# KiCad board DC-34-Countdown-To-Singularity-Board.kicad_pcb
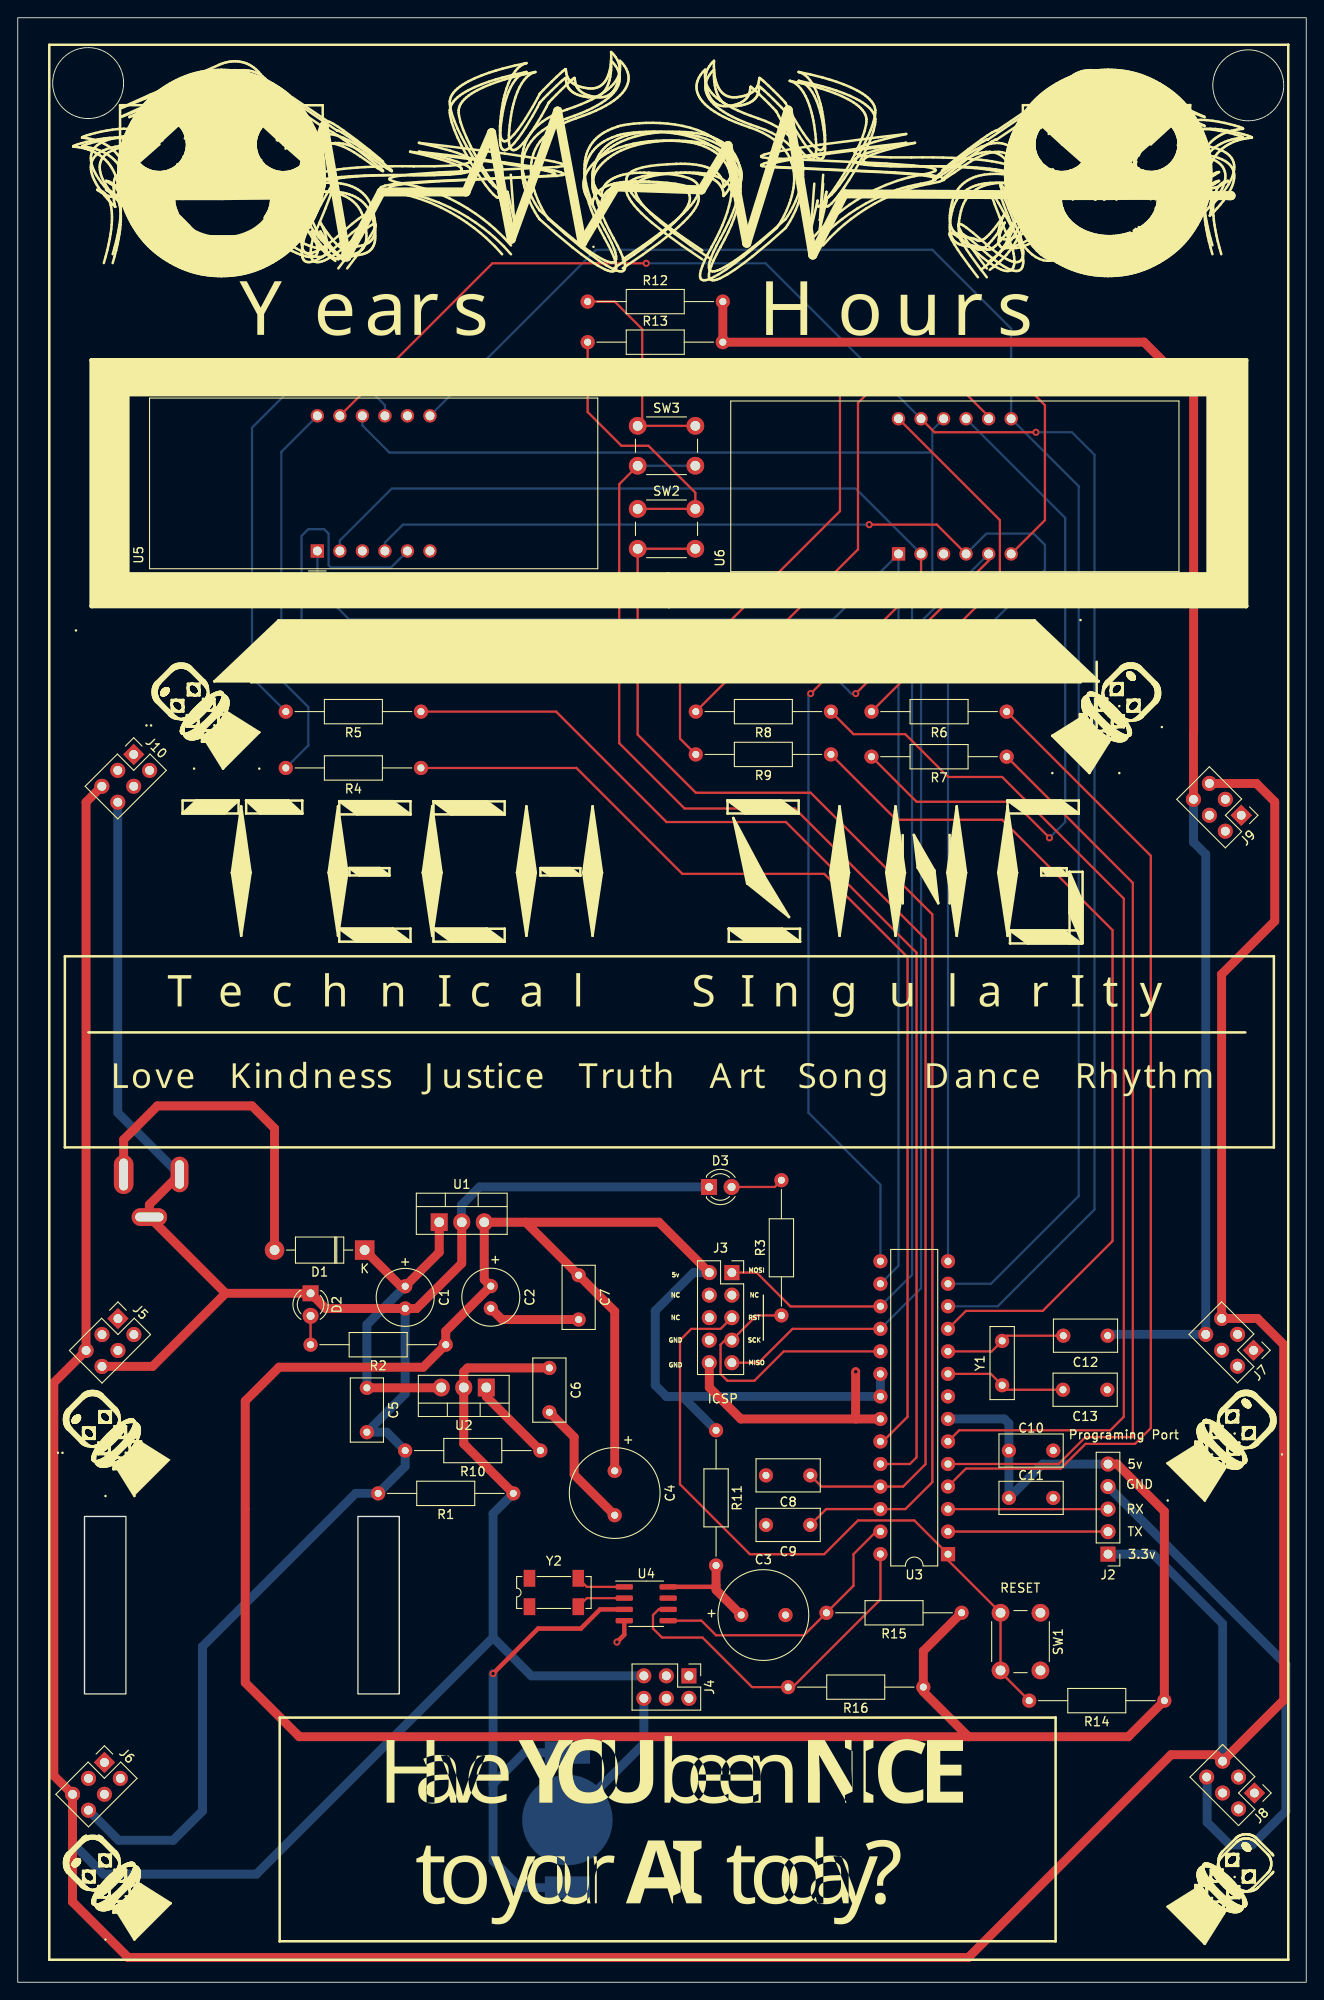
[diagram p0: board, top side]
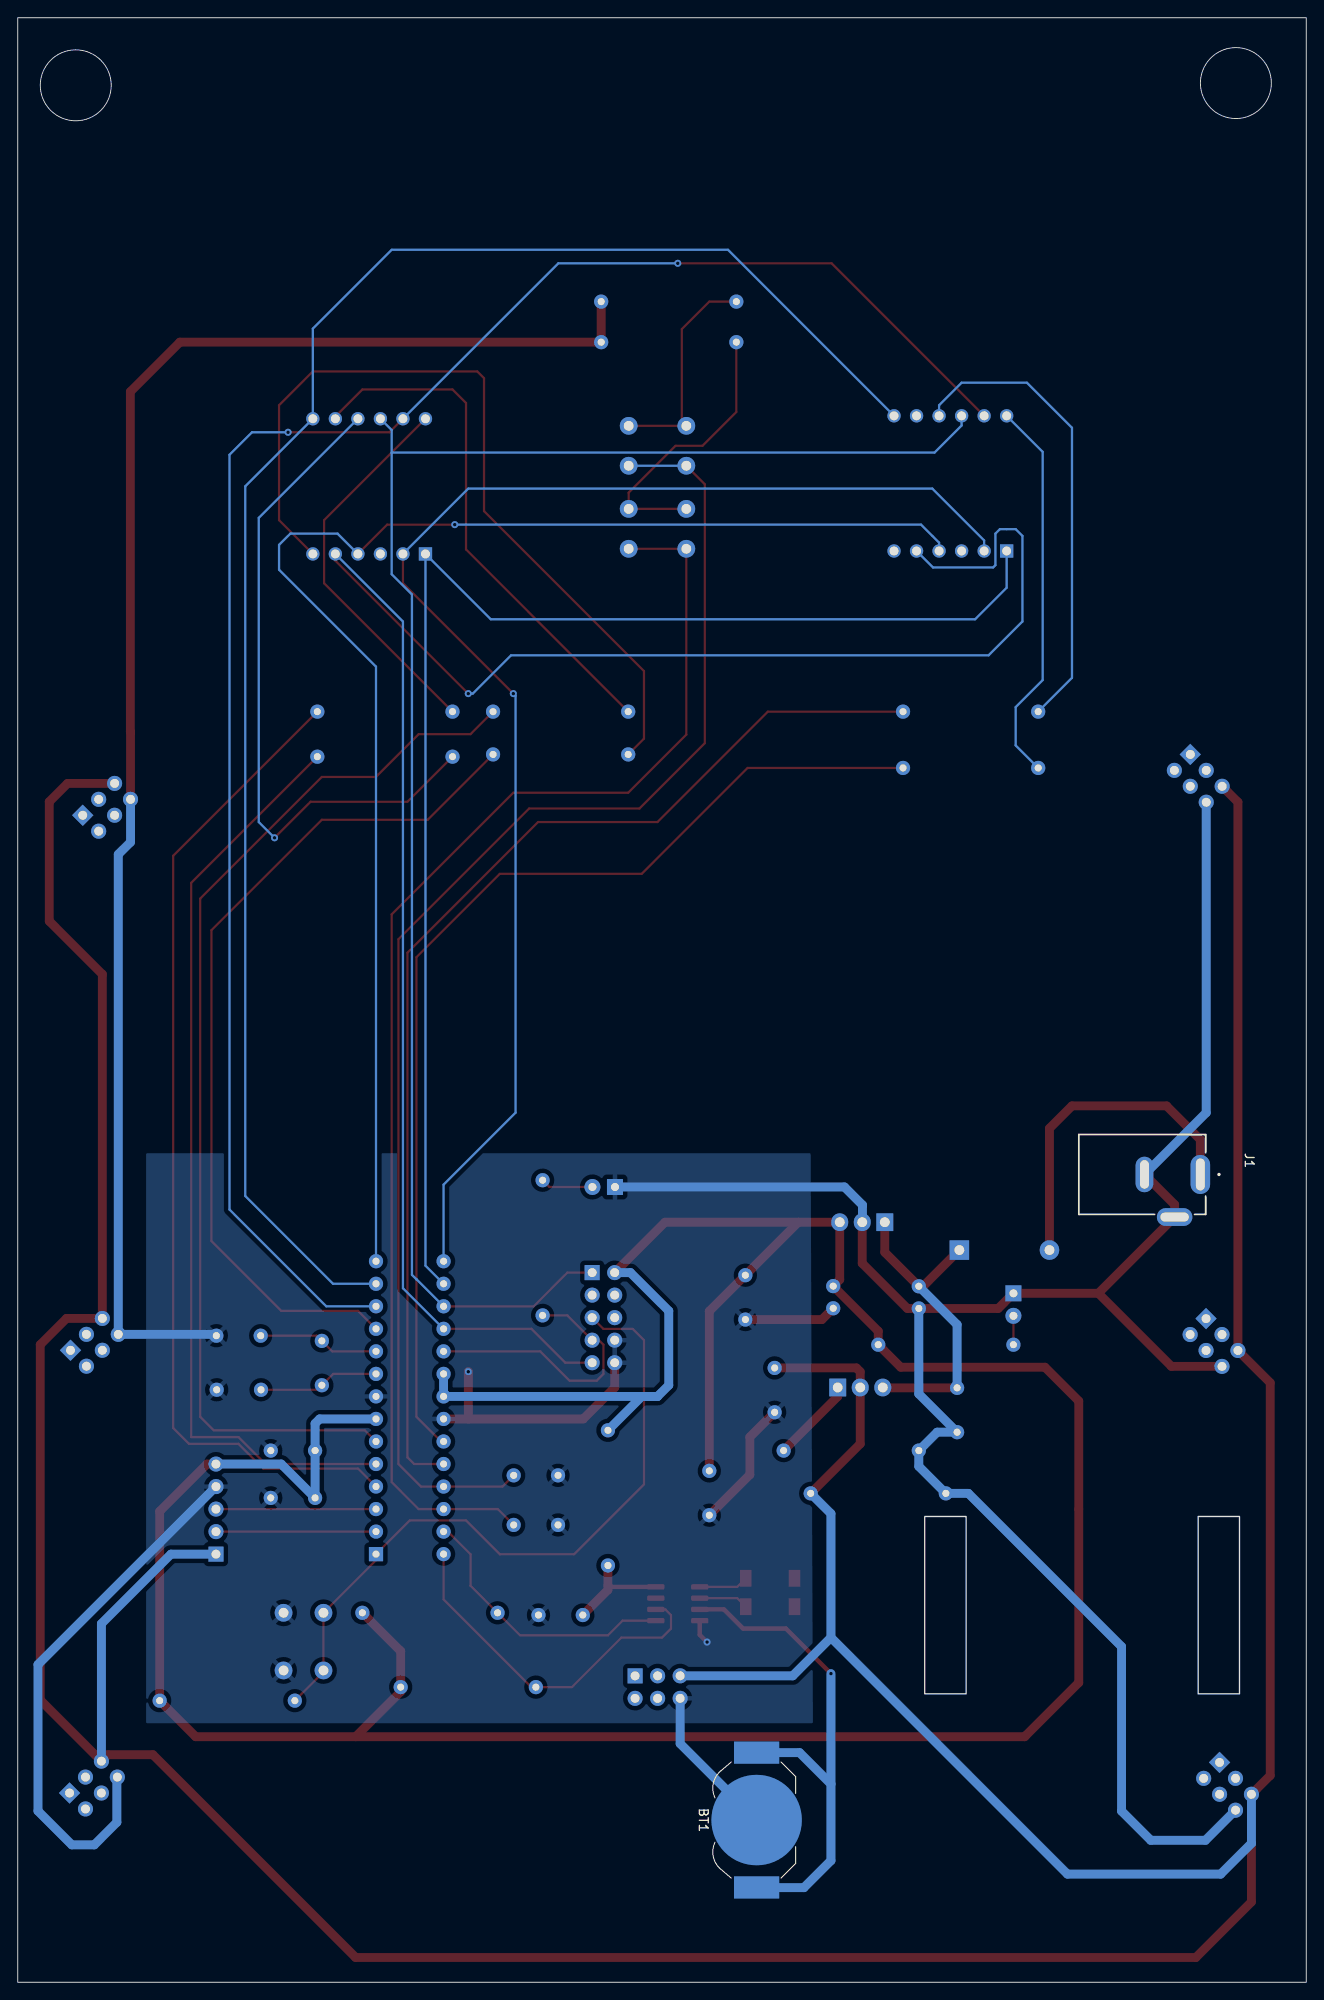
[diagram p1: board, bottom side, seen from below]

Outline 145.29 x 221.49 mm; copper layers: Top, Bottom. Coordinates in mm from the lower left corner of the outline.
Outline path: rectangle 0,221.49 145.29,0 ; 12.19,52.51 12.19,32.51 7.53,32.51 7.53,52.51 closed ; 43.02,52.51 43.02,32.51 38.35,32.51 38.35,52.51 closed ; circle c7.94,214.12 r4 ; circle c138.75,213.87 r4

## Placement (name value [footprint] x y rotation side)
BT1  Battery_Cell  [BatteryHolder_LINX_BAT-HLD-012-SMT]  61.98 18.29 270 bottom
C1  100uF  [C_Radial_D6.3mm_H11.0mm_P2.50mm]  43.69 78.47 270 top
C2  100uF  [C_Radial_D6.3mm_H11.0mm_P2.50mm]  53.34 78.49 270 top
C3  10uF  [C_Radial_D10.0mm_H12.5mm_P5.00mm]  81.57 41.4 0 top
C4  10uF  [C_Radial_D10.0mm_H12.5mm_P5.00mm]  67.31 57.66 270 top
C5  100nF  [C_Rect_L7.0mm_W3.5mm_P5.00mm]  39.37 67.02 270 top
C6  100nF  [C_Rect_L7.0mm_W3.5mm_P5.00mm]  59.94 69.26 270 top
C7  100nF  [C_Rect_L7.0mm_W3.5mm_P5.00mm]  63.25 79.72 270 top
C8  100nF  [C_Rect_L7.0mm_W3.5mm_P5.00mm]  89.37 57.15 180 top
C9  100nF  [C_Rect_L7.0mm_W3.5mm_P5.00mm]  89.37 51.56 180 top
C10  100nF  [C_Rect_L7.0mm_W3.5mm_P5.00mm]  111.76 59.94 0 top
C11  100nF  [C_Rect_L7.0mm_W3.5mm_P5.00mm]  111.76 54.61 0 top
C12  22pf  [C_Rect_L7.0mm_W3.5mm_P5.00mm]  122.9 72.9 180 top
C13  22pf  [C_Rect_L7.0mm_W3.5mm_P5.00mm]  122.86 66.8 180 top
D1  1N4007  [D_DO-41_SOD81_P10.16mm_Horizontal]  39.12 82.55 180 top
D2  LED  [LED_D3.0mm]  33.02 77.68 270 top
D3  LED  [LED_D3.0mm]  77.95 89.66 0 top
J1  DCJ200-10-A-XX-K_REVA  [GCT_DCJ200-10-A-XX-K_REVA]  18.49 91.07 270 bottom
J2  Conn_01x05_Male  [PinHeader_1x05_P2.54mm_Vertical]  122.94 48.26 180 top
J3  Conn_01x10_Male  [PinSocket_2x05_P2.54mm_Vertical]  80.52 80.01 0 top
J4  Conn_01x06_Male  [PinHeader_2x03_P2.54mm_Vertical]  75.68 34.55 270 top
J5  Conn_01x06_Male  [PinHeader_2x03_P2.54mm_Vertical]  11.3 74.82 315 top
J6  Conn_01x06_Male  [PinHeader_2x03_P2.54mm_Vertical]  9.77 24.79 315 top
J7  Conn_01x06_Male  [PinHeader_2x03_P2.54mm_Vertical]  139.34 71.25 225 top
J8  Conn_01x06_Male  [PinHeader_2x03_P2.54mm_Vertical]  139.45 21.34 225 top
J9  Conn_01x06_Male  [PinHeader_2x03_P2.54mm_Vertical]  137.96 131.57 225 top
J10  Conn_01x06_Male  [PinHeader_2x03_P2.54mm_Vertical]  13.08 138.43 315 top
R1  240  [R_Axial_DIN0207_L6.3mm_D2.5mm_P15.24mm_Horizontal]  55.88 55.12 180 top
R2  330  [R_Axial_DIN0207_L6.3mm_D2.5mm_P15.24mm_Horizontal]  48.26 71.88 180 top
R3  330  [R_Axial_DIN0207_L6.3mm_D2.5mm_P15.24mm_Horizontal]  86.11 75.18 90 top
R4  330  [R_Axial_DIN0207_L6.3mm_D2.5mm_P15.24mm_Horizontal]  45.47 136.91 180 top
R5  330  [R_Axial_DIN0207_L6.3mm_D2.5mm_P15.24mm_Horizontal]  45.47 143.26 180 top
R6  330  [R_Axial_DIN0207_L6.3mm_D2.5mm_P15.24mm_Horizontal]  111.51 143.26 180 top
R7  330  [R_Axial_DIN0207_L6.3mm_D2.5mm_P15.24mm_Horizontal]  111.51 138.18 180 top
R8  330  [R_Axial_DIN0207_L6.3mm_D2.5mm_P15.24mm_Horizontal]  91.69 143.26 180 top
R9  330  [R_Axial_DIN0207_L6.3mm_D2.5mm_P15.24mm_Horizontal]  91.69 138.43 180 top
R10  390  [R_Axial_DIN0207_L6.3mm_D2.5mm_P15.24mm_Horizontal]  58.93 59.94 180 top
R11  1k  [R_Axial_DIN0207_L6.3mm_D2.5mm_P15.24mm_Horizontal]  78.74 62.23 270 top
R12  1k  [R_Axial_DIN0207_L6.3mm_D2.5mm_P15.24mm_Horizontal]  64.26 189.48 0 top
R13  1k  [R_Axial_DIN0207_L6.3mm_D2.5mm_P15.24mm_Horizontal]  64.26 184.91 0 top
R14  10k  [R_Axial_DIN0207_L6.3mm_D2.5mm_P15.24mm_Horizontal]  129.29 31.75 180 top
R15  10k  [R_Axial_DIN0207_L6.3mm_D2.5mm_P15.24mm_Horizontal]  106.43 41.66 180 top
R16  10k  [R_Axial_DIN0207_L6.3mm_D2.5mm_P15.24mm_Horizontal]  102.11 33.27 180 top
SW1  SW_DIP_x01  [SW_PUSH_6mm_H7.3mm]  115.32 41.66 270 top
SW2  SW_DIP_x01  [SW_PUSH_6mm_H7.3mm]  69.9 166.12 0 top
SW3  SW_DIP_x01  [SW_PUSH_6mm_H7.3mm]  69.9 175.48 0 top
U1  LM7805_TO220  [TO-220-3_Vertical]  47.52 85.69 0 top
U2  LM317_TO-220  [TO-220-3_Vertical]  52.83 67.06 180 top
U3  ATmega328P-P  [DIP-28_W7.62mm]  104.89 48.27 180 top
U4  PCF8523T  [SOIC-8_3.9x4.9mm_P1.27mm]  70.87 42.67 0 top
U5  CC56-12CGKWA  [CA56-12CGKWA]  33.78 161.37 90 top
U6  CC56-12CGKWA  [CA56-12CGKWA]  99.31 161.04 90 top
Y1  Crystal  [C_Disc_D8.0mm_W2.5mm_P5.00mm]  111 67.31 90 top
Y2  Crystal  [Crystal_SMD_SeikoEpson_MC306-4Pin_8.0x3.2mm]  60.45 43.94 0 top

## Library data of the parts
J1 = -: MANUFACTURER: Global Connector Technology; MAXIMUM_PACKAGE_HEIGHT: 11 mm; PARTREV: A; SNAPEDA_PN: DCJ200-10-A-K1-K; STANDARD: Manufacturer Recommendations

## Footprints (pads in the part's own frame, mm; a bottom-side part is the same pattern mirrored in y, then rotated)
BatteryHolder_LINX_BAT-HLD-012-SMT
  rect 2.5x5.1 smd: 1(-7.6,0) 1(7.6,0)
  round 10.2 smd: 2(0,0)
C_Disc_D8.0mm_W2.5mm_P5.00mm
  round 1.6 hole 0.8: 1(0,0) 2(5,0)
C_Radial_D6.3mm_H11.0mm_P2.50mm
  round 1.6 hole 0.8: 1(0,0) 2(2.5,0)
C_Radial_D10.0mm_H12.5mm_P5.00mm
  round 1.6 hole 0.8: 1(0,0) 2(5,0)
C_Rect_L7.0mm_W3.5mm_P5.00mm
  round 1.6 hole 0.8: 1(0,0) 2(5,0)
CA56-12CGKWA
  rect 1.5x1.5 hole 1: 1(0,0)
  round 1.5 hole 1: 2(0,-2.54) 3(0,-5.08) 4(0,-7.62) 5(0,-10.16) 6(0,-12.7) 7(15.24,-12.7) 8(15.24,-10.16) 9(15.24,-7.62) 10(15.24,-5.08) 11(15.24,-2.54) 12(15.24,0)
Crystal_SMD_SeikoEpson_MC306-4Pin_8.0x3.2mm
  rect 1.3x1.9 smd: 1(2.75,1.6) 2(2.75,-1.6) 3(-2.75,-1.6) 4(-2.75,1.6)
D_DO-41_SOD81_P10.16mm_Horizontal
  rect 2.2x2.2 hole 1.1: 1(0,0)
  oval 2.2x2.2 hole 1.1: 2(10.16,0)
DIP-28_W7.62mm
  rect 1.6x1.6 hole 0.8: 1(0,0)
  oval 1.6x1.6 hole 0.8: 2(0,-2.54) 3(0,-5.08) 4(0,-7.62) 5(0,-10.16) 6(0,-12.7) 7(0,-15.24) 8(0,-17.78) 9(0,-20.32) 10(0,-22.86) 11(0,-25.4) 12(0,-27.94) 13(0,-30.48) 14(0,-33.02) 15(7.62,-33.02) 16(7.62,-30.48) 17(7.62,-27.94) 18(7.62,-25.4) 19(7.62,-22.86) 20(7.62,-20.32) 21(7.62,-17.78) 22(7.62,-15.24) 23(7.62,-12.7) 24(7.62,-10.16) 25(7.62,-7.62) 26(7.62,-5.08) 27(7.62,-2.54) 28(7.62,0)
GCT_DCJ200-10-A-XX-K_REVA
  oval 4.4x2.2 hole 3.6x1: 1(0,6.55)
  oval 4x2 hole 3.2x1: 2(0,0.25)
  oval 2x4 hole 1x3.2: 3(4.8,3.65)
LED_D3.0mm
  rect 1.8x1.8 hole 0.9: 1(0,0)
  round 1.8 hole 0.9: 2(2.54,0)
PinHeader_1x05_P2.54mm_Vertical
  rect 1.7x1.7 hole 1: 1(0,0)
  oval 1.7x1.7 hole 1: 2(0,-2.54) 3(0,-5.08) 4(0,-7.62) 5(0,-10.16)
PinHeader_2x03_P2.54mm_Vertical
  rect 1.7x1.7 hole 1: 1(0,0)
  oval 1.7x1.7 hole 1: 2(2.54,0) 3(0,-2.54) 4(2.54,-2.54) 5(0,-5.08) 6(2.54,-5.08)
PinSocket_2x05_P2.54mm_Vertical
  rect 1.7x1.7 hole 1: 1(0,0)
  oval 1.7x1.7 hole 1: 2(-2.54,0) 3(0,-2.54) 4(-2.54,-2.54) 5(0,-5.08) 6(-2.54,-5.08) 7(0,-7.62) 8(-2.54,-7.62) 9(0,-10.16) 10(-2.54,-10.16)
R_Axial_DIN0207_L6.3mm_D2.5mm_P15.24mm_Horizontal
  round 1.6 hole 0.8: 1(0,0)
  oval 1.6x1.6 hole 0.8: 2(15.24,0)
SOIC-8_3.9x4.9mm_P1.27mm
  rrect 1.95x0.6 smd: 1(-2.475,1.905) 2(-2.475,0.635) 3(-2.475,-0.635) 4(-2.475,-1.905) 5(2.475,-1.905) 6(2.475,-0.635) 7(2.475,0.635) 8(2.475,1.905)
SW_PUSH_6mm_H7.3mm
  round 2 hole 1.1: 1(0,0) 1(6.5,0) 2(0,-4.5) 2(6.5,-4.5)
TO-220-3_Vertical
  rect 1.905x2 hole 1.1: 1(0,0)
  oval 1.905x2 hole 1.1: 2(2.54,0) 3(5.08,0)

## Nets
3.3v: C6.1 J2.1 J4.5 J5.5 J6.5 J7.5 J8.5 J9.5 J10.5 R1.1 U2.2
5V: C2.1 C4.1 C7.1 C10.1 C11.1 J2.5 J3.2 R2.1 R11.1 R14.1 R15.1 R16.1 U1.3 U3.7 U3.20 U3.21
GND: BT1.2 C1.2 C2.2 C3.2 C4.2 C5.2 C6.2 C7.2 C8.2 C9.2 C10.2 C11.2 C12.1 C13.1 D2.1 D3.1 J1.2 J1.3 J2.4 J3.8 J3.10 J4.6 J5.6 J6.6 J7.6 J8.6 J9.6 J10.6 R1.2 R10.2 R12.2 R13.2 SW1.1 U1.2 U3.8 U3.22 U4.4
Vin: C1.1 C5.1 D1.1 U1.1 U2.3
a: U3.12 U5.11 U6.11
b: U3.13 U5.7 U6.7
c: U3.14 U5.4 U6.4
CC1: R6.1 U3.4
CC2: R7.1 U3.5
CC3: R8.1 U3.6
CC4: R9.1 U3.11
CC5: R4.1 U3.23
CC6: R5.1 U3.24
d: U3.15 U5.2 U6.2
DC13: J3.7 R3.1 U3.19
DOWN: C9.1 SW2.2 U3.26
e: U3.16 U5.1 U6.1
MISO: J3.9 U3.18 U5.5 U6.5
MOSI: J3.1 U3.17 U5.10 U6.10
RST: J3.5 R14.2 SW1.2 U3.1
Rx: J2.3 U3.3
SCL: R16.2 U3.28 U4.6
SDA: R15.2 U3.27 U4.5
Tx: J2.2 U3.2
UP: C8.1 SW3.2 U3.25
Net-(BT1-Pad1): BT1.1 U4.3
Net-(C3-Pad1): C3.1 R11.2 U4.8
Net-(C12-Pad2): C12.2 U3.10 Y1.2
Net-(C13-Pad2): C13.2 U3.9 Y1.1
Net-(D1-Pad2): D1.2 J1.1
Net-(D2-Pad2): D2.2 R2.2
Net-(D3-Pad2): D3.2 R3.2
Net-(R4-Pad2): R4.2 U5.12
Net-(R5-Pad2): R5.2 U5.9
Net-(R6-Pad2): R6.2 U6.12
Net-(R7-Pad2): R7.2 U6.9
Net-(R8-Pad2): R8.2 U6.8
Net-(R9-Pad2): R9.2 U6.6
Net-(R10-Pad1): R10.1 U2.1
Net-(R12-Pad1): R12.1 SW3.1
Net-(SW2-Pad1): R13.1 SW2.1
Net-(U4-Pad1): U4.1 Y2.1
Net-(U4-Pad2): U4.2 Y2.2

Pads without a net: J3 3 4 6; J4 1 2 3 4; J5 1 2 3 4; J6 1 2 3 4; J7 1 2 3 4; J8 1 2 3 4; J9 1 2 3 4; J10 1 2 3 4; U4 7; U5 3 6 8; U6 3; Y2 3 4

## Via types
v1: diameter 0.8, hole 0.4, Top to Bottom, 9 vias

## Routing (per net, layer and track width the routed paths; a pad name or vN(x,y) marks a point on that pad's centre or on a via; arc(x,y) is an arc through that point)
3.3v: length 556.9
  Top w0.25: J4.5 70.6,34.53
  Top w1: R1.1 50.29,60.71 U2.2 50.29,68.83 50.72,69.26 C6.1 ; J10.5 7.71,133.06 J5.5 4.06,67.59 4.06,23.31 J6.5 6.18,9.06 12.45,2.79 107.19,2.79 130.05,25.65 135.13,25.65 J8.5 142.75,31.82 142.75,71.88 139.79,74.84 J7.5 135.75,113.65 141.73,119.63 141.73,133.1 139.66,135.16 J9.5
  Bottom w1: J8.5 135.85,40.42 128.01,48.26 J2.1 ; 53.59,38.86 26.92,12.19 9.65,12.19 6.18,15.66 J6.5 ; 53.59,38.86 53.59,52.83 R1.1 ; 53.59,38.86 57.91,34.55 J4.5
5V: length 368.8
  Top w1: 57.27,85.69 U1.3 52.6,79.22 C2.1 48.26,73.41 R2.1 45.72,69.34 29.46,69.34 25.65,65.53 25.65,33.78 31.75,27.69 107.19,27.69 ; 57.27,85.69 72.3,85.69 J3.2 ; 57.27,85.69 C7.1 67.31,75.65 C4.1 ; R15.1 102.11,37.34 R16.1 102.11,32.77 107.19,27.69 ; 107.19,27.69 125.22,27.69 R14.1 129.29,53.09 123.95,58.43 J2.5
  Bottom w1: R11.1 74.92,66.05 73.14,66.05 ; 73.14,66.05 71.88,67.31 71.88,75.69 76.2,80.01 J3.2 ; 73.14,66.05 U3.21 U3.20 ; U3.7 111.24,63.51 111.76,62.99 C10.1 C11.1 115.58,58.43 J2.5
GND: length 547
  Top w0.5: v1(67.56,38.35) 68.39,39.18 68.39,40.77
  Top w1: U3.22 94.48,63.51 ; 94.48,63.51 81.52,63.51 77.98,67.06 J3.10 ; 94.48,63.51 94.48,68.82 v1(94.49,68.83) ; J5.6 15.2,69.43 23.44,77.68 ; U1.2 50.06,81.05 44.98,75.97 C1.2 34.73,75.97 D2.1 23.44,77.68 ; 23.44,77.68 J1.3 14.84,87.67 J1.2 ; C4.2 62.74,57.23 62.74,61.47 C6.2 ; J9.6 132.57,140.95 132.59,140.97 132.59,179.32 127,184.91 R13.2 R12.2 ; C7.2 54.61,74.72 C2.2
  Bottom w0.25: J8.6 134.11,23.08 ; 123.05,73.05 C12.1
  Bottom w1: 134.11,23.08 134.11,18.03 136.65,15.49 139.19,15.49 143,19.3 143,35.82 J2.4 ; BT1.2 70.6,26.91 70.6,32.01 ; U1.2 50.04,85.72 50.04,87.63 52.07,89.66 D3.1 ; C1.2 43.69,66.33 C5.2 41.62,62.02 R10.2 43.69,58.17 R1.2 38.1,55.12 20.83,37.85 20.83,19.3 17.53,16 11.37,16 J6.6 ; J9.6 132.57,128.54 133.95,127.16 J7.6 123.05,73.05 ; J1.2 11.28,98.04 J10.6
Vin: length 36.7
  Top w1: U1.1 47.52,82.3 C1.1 43.2,78.47 D1.1 ; C5.1 47.71,67.02 U2.3
  Bottom w1: C5.1 39.37,74.15 C1.1
a: length 207.3
  Top w0.25: U6.11 103.38,174.75 v1(114.81,174.75) ; U5.11 53.52,193.8 v1(70.87,193.8)
  Bottom w0.25: U6.11 84.33,193.8 v1(70.87,193.8) ; v1(114.81,174.75) 118.87,174.75 121.41,172.21 121.41,87.12 110.5,76.21 U3.12
b: length 196.8
  Bottom w0.25: U5.7 65.2,195.33 103.12,195.33 112.01,186.44 U6.7 119.63,168.66 119.63,88.65 109.74,78.75 U3.13
c: length 164.3
  Top w0.25: v1(96.01,164.34) 103.63,164.34 U6.4
  Bottom w0.25: U3.14 104.89,148.33 115.82,159.26 115.82,162.05 114.55,163.32 109.22,163.32 U6.4 ; v1(96.01,164.34) 43.43,164.34 41.4,162.31 U5.4
CC1: length 113.1
  Top w0.25: U3.4 106.91,57.91 117.6,57.91 120.4,60.71 125.98,60.71 127.76,62.48 127.76,127 R6.1
CC2: length 104.7
  Top w0.25: U3.5 117.36,58.43 120.4,61.47 125.73,61.47 125.73,123.95 R7.1
CC3: length 121.1
  Top w0.25: U3.6 106.15,62.23 123.19,62.23 124.71,63.75 124.71,122.17 111,135.89 104.9,135.89 100.08,140.72 94.23,140.72 R8.1
CC4: length 97.7
  Top w0.25: R9.1 99.06,131.06 111,131.06 123.44,118.62 123.44,83.57 115.57,75.69 106.91,75.69 U3.11
CC5: length 119.7
  Top w0.25: R4.1 62.99,136.91 74.93,124.97 90.93,124.97 100.33,115.57 100.33,63.75 97.55,60.97 U3.23
CC6: length 128.4
  Top w0.25: U3.24 100.59,58.43 101.35,59.18 101.35,116.08 86.61,130.81 73.15,130.81 60.71,143.26 R5.1
d: length 160.6
  Top w0.25: v1(89.41,145.29) 101.85,157.73 U6.2
  Bottom w0.25: v1(89.41,145.29) 89.15,145.03 89.15,98.04 97.27,89.93 U3.15 ; U5.2 36.32,162.56 42.16,168.4 94.49,168.4 U6.2
DC13: length 31.2
  Top w0.25: U3.19 86.37,71.13 83.06,67.82 80.01,67.82 79.25,68.58 79.25,71.88 79.76,72.39 J3.7 83.31,75.18 R3.1
DOWN: length 148.8
  Top w0.25: C9.1 91.16,53.35 U3.26 100.09,53.35 103.12,56.39 103.12,120.4 89.41,134.11 76.45,134.11 69.9,140.66 SW2.2 SW2.2
e: length 157.3
  Bottom w0.25: U3.16 99.31,80.79 U6.1 91.95,153.67 37.34,153.67 33.78,157.23 U5.1
MISO: length 225.1
  Top w0.25: J3.9 83.55,69.85 87.37,73.67 U3.18 ; U6.5 109.47,160.27 v1(94.49,145.29)
  Bottom w0.25: U6.5 101.85,153.42 101.85,78.25 U3.18 ; v1(94.49,145.29) 93.98,145.29 89.66,149.61 35.81,149.61 32,153.42 32,163.07 32.77,163.83 34.54,163.83 35.05,163.32 35.05,159.77 35.31,159.51 42.09,159.51 U5.5
MOSI: length 188
  Top w0.25: J3.1 83.31,80.01 87.12,76.2 97.26,76.2 U3.17
  Bottom w0.25: 103.12,172.47 41.91,172.47 38.86,175.51 U5.10 ; 103.12,172.47 103.12,175.01 U6.10 ; 103.12,172.47 103.12,158.75 100.84,156.46 100.84,79.76 100.33,79.25 100.31,79.25 U3.17
RST: length 80.1
  Top w0.25: R14.2 110.82,34.98 SW1.2 SW1.2 104.89,47.58 U3.1 101.09,52.07 94.74,52.07 90.93,48.26 82.55,48.26 74.68,56.13 74.68,72.39 75.95,73.66 79.25,73.66 J3.5
Rx: length 18
  Top w0.25: U3.3 104.9,53.34 J2.3
SCL: length 41.1
  Top w0.25: U3.28 97.27,43.17 87.38,33.27 R16.2 82.8,33.27 77.22,38.86 72.64,38.86 71.63,39.88 71.63,41.4 72.26,42.04 U4.6
SDA: length 31.5
  Top w0.25: U3.27 96.78,50.81 94.23,48.26 94.23,44.7 R15.2 88.65,39.12 78.74,39.12 77.09,40.77 U4.5
Tx: length 18
  Top w0.25: U3.2 122.93,50.81 J2.2
UP: length 156.1
  Top w0.25: SW3.2 67.82,168.89 67.82,139.7 75.18,132.33 87.63,132.33 102.36,117.6 102.36,58.42 99.83,55.89 U3.25 90.63,55.89 C8.1
  Bottom w0.25: SW3.2 SW3.2
Net-(BT1-Pad1): length 58.4
  Top w0.5: 68.39,42.04 65.66,42.04 63.5,39.88 58.67,39.88 v1(53.59,34.8)
  Bottom w0.25: BT1.1 61.96,10.67
  Bottom w1: 53.59,22.35 57.13,25.89 BT1.1 ; 53.59,22.35 53.59,13.72 56.64,10.67 61.96,10.67 ; 53.59,22.35 v1(53.59,34.8)
Net-(C3-Pad1): length 12.2
  Top w0.25: 78.61,44.58 78.74,44.7
  Top w0.5: U4.8 78.61,44.58
  Top w1: C3.1 78.74,44.24 R11.2
Net-(C12-Pad2): length 13.7
  Top w0.25: U3.10 109.82,71.13 Y1.2 111.59,72.9 C12.2
Net-(C13-Pad2): length 13.7
  Top w0.25: U3.9 109.72,68.59 Y1.1 111.51,66.8 C13.2
Net-(D1-Pad2): length 37.3
  Top w1: D1.2 28.96,96.27 26.42,98.81 15.75,98.81 11.94,95 J1.1
Net-(D2-Pad2): length 3.3
  Top w0.25: R2.2 D2.2
Net-(D3-Pad2): length 5.9
  Top w0.25: D3.2 85.34,89.66 R3.2
Net-(R4-Pad2): length 43.7
  Bottom w0.25: R4.2 32.77,139.45 32.77,143.76 29.72,146.81 29.72,172.54 U5.12
Net-(R5-Pad2): length 52.9
  Bottom w0.25: R5.2 26.42,147.07 26.42,175.26 31.5,180.34 38.86,180.34 41.4,177.8 U5.9
Net-(R6-Pad2): length 43.8
  Top w0.25: U6.12 110.74,164.85 110.74,157.73 R6.2
Net-(R7-Pad2): length 76.5
  Top w0.25: v1(116.33,129.03) 112.27,133.1 101.35,133.1 R7.2
  Bottom w0.25: U6.9 118.11,165.1 118.11,130.81 v1(116.33,129.03)
Net-(R8-Pad2): length 59.3
  Top w0.25: U6.8 109.47,176.53 106.43,179.58 96.27,179.58 94.74,178.05 94.74,161.54 R8.2
Net-(R9-Pad2): length 94
  Top w0.25: U6.6 115.82,164.85 115.82,177.8 112.01,181.61 93.47,181.61 92.71,180.85 92.71,165.86 74.68,147.83 74.68,140.21 R9.2
Net-(R10-Pad1): length 9.6
  Top w1: U2.1 52.83,66.04 R10.1
Net-(R12-Pad1): length 25
  Top w0.25: SW3.1 SW3.1 70.41,175.99 70.41,186.38 67.31,189.48 R12.1
Net-(SW2-Pad1): length 32.1
  Top w0.25: SW2.1 SW2.1 76.4,167.95 71.12,173.23 68.07,173.23 64.26,177.04 R13.1
Net-(U4-Pad1): length 5.6
  Top w0.25: 68.39,44.58 64.17,44.58 Y2.1
Net-(U4-Pad2): length 5.6
  Top w0.25: Y2.2 64.17,43.31 68.39,43.31

## Copper pours and planes (outline as drawn; the poured copper is in the pictures)
GND on Bottom: 130.81,29.21 55.63,29.21 55.88,93.47 130.81,93.47

## Text on the board
F.Silkscreen: 5v | NC | GND | RST | SCK | MOSI | MISO | + | ICSP | RESET | Programing Port | RX | TX | 3.3v
